# Altium PCB 191228 PCB.PcbDoc (part 2 of 3) (continued)
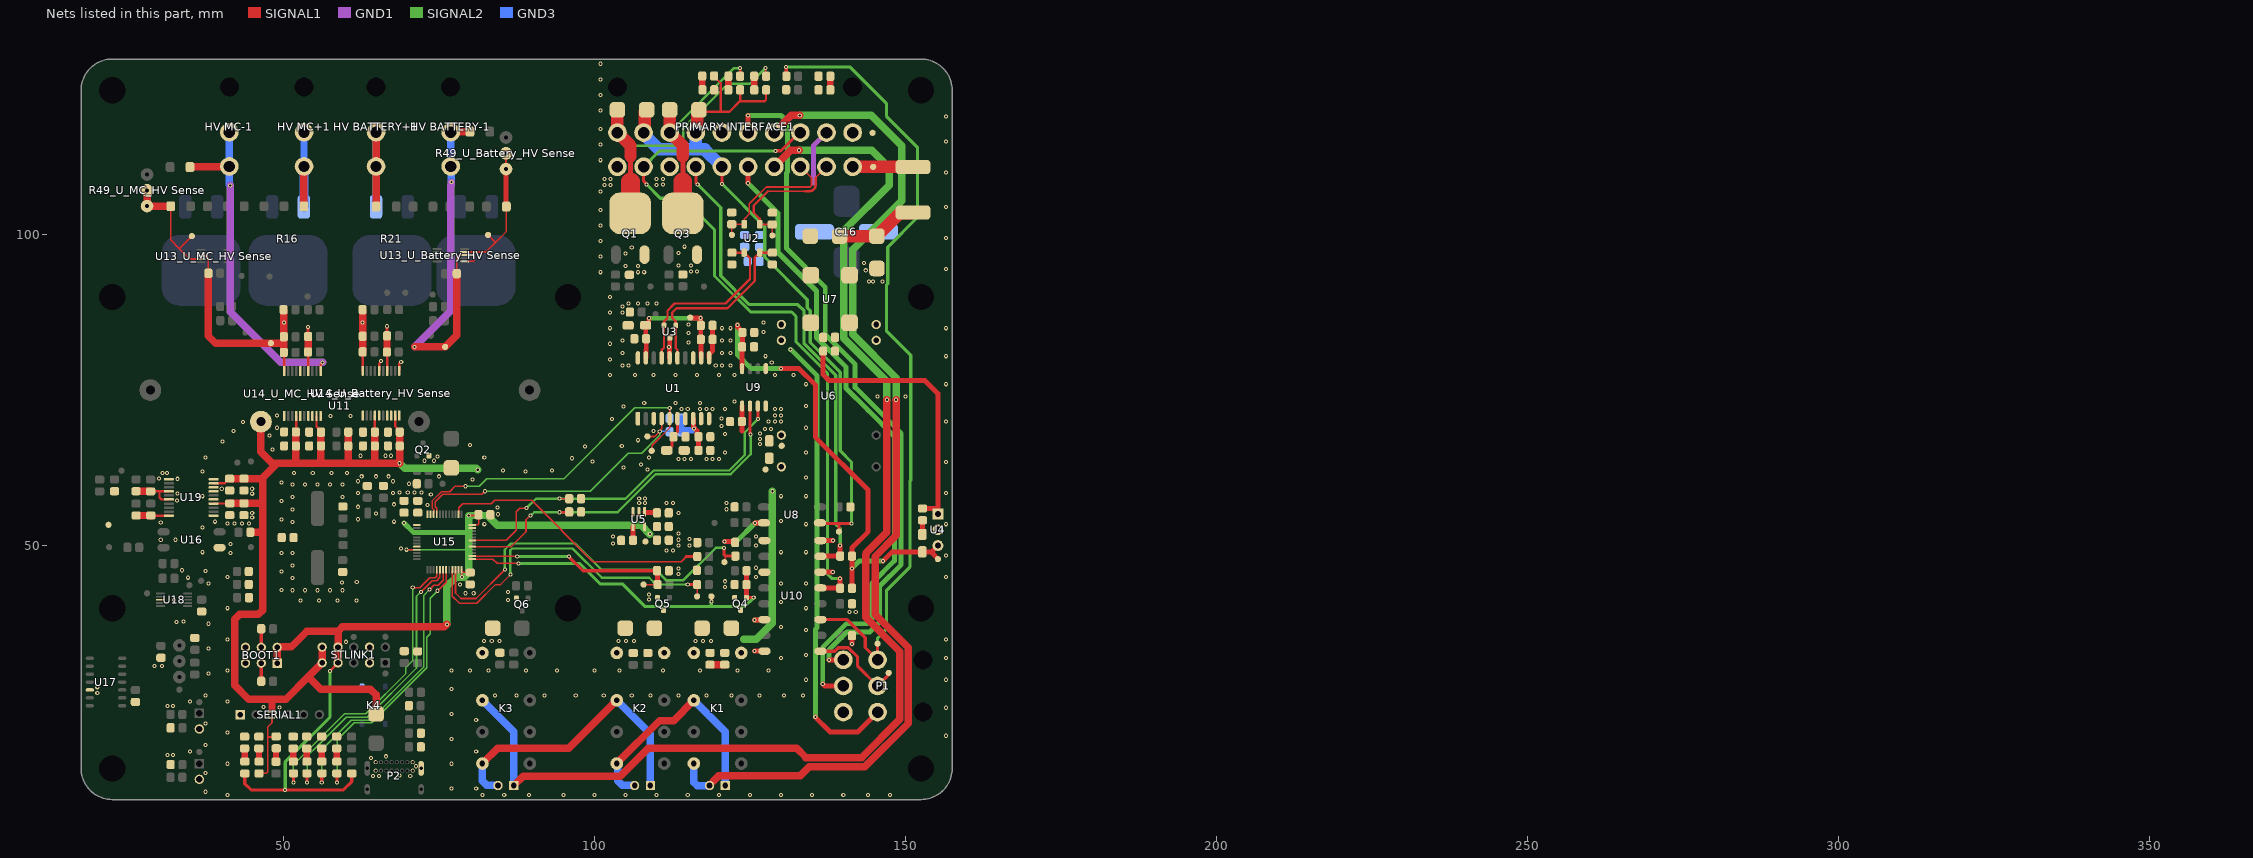
[diagram p4: the nets of this part, all layers, seen from the top]
## Nets (pads, with @x,y where several pads share a name; then routed paths per layer and width w, separated by ;. In a path a pad name is that pad's centre, name@x,y a point inside that pad or via, vN(x,y) a via of type N, cw(c..) or ccw(c..) an arc to the next point about the centre after c; other vN are vias at no path point) (continued)
  SIGNAL1 w0.508: D5.A@43.808,13.45 43.808,11.792 44.8,10.8 v1(50.3,10.8) 59.667,10.8 61,12.133 D20.A@61,13.45 ; v1(57.5,29.9) 57.5,29.915 58.78,31.195 STLINK1.7@58.78,31.21 ; C1.2@111.622,65.353 111.77,65.353 112.458,66.041 112.458,67.289 C2.2@112.722,67.553 112.722,67.692 113.344,68.314 U1.6@113.344,70.475
  SIGNAL1 w1.2: BOOT1.1@48.997,31.17 BOOT1.2@48.997,33.71 49.055,33.767 51.267,33.767 53.8,36.3 58.8,36.3 ; STLINK1.7@58.78,31.21 STLINK1.8@58.78,33.75 58.8,33.77 58.8,36.3 ; v1(76.3,37.4) 75.907,37.007 59.507,37.007 58.8,36.3
  SIGNAL2 w0.254: v1(69.8,49.4) 79.8,49.4
  SIGNAL2 w0.508: v1(50.3,10.8) 50.3,15.3 57.5,22.5 v1(57.5,29.9)
  SIGNAL2 w0.8: v1(69.4,53.7) 70.9,52.2 79.8,52.2
  SIGNAL2 w1.2: v1(76.3,37.4) 76.3,43.497 77.803,45 v1(78.7,45) 79.097,45 79.8,45.703 79.8,49.4 79.8,52.2 v1(79.8,54.9) 82.8,54.9 84.4,53.3 107.5,53.3 v1(108.9,51.9)
3V3_BP: C21.2 U5.4 | length 2.2
  SIGNAL1 w0.8: C21.2@106.15,50.925 106.169,50.944 106.169,53.118 U5.4@106.188,53.137
5V: C15.2 C25.2 C26.2 D3.A R10.2 R24.2 TP5.1 U4.3 U9.8 | length 80.8
  SIGNAL1 w0.8: v1(123,85.5) 123,85.211 123.769,84.442 123.769,82.019 C25.2@123.75,82 123.74,81.99 123.74,78.51 U9.8@123.73,78.5 ; v1(130,78.5) 132.892,78.5 135.5,75.892 135.5,67.5 144,59 144,52.3 141.4,49.7 R24.2@141.4,48.374 v1(141.4,46.4) R10.2@141.4,43.2 ; v1(146.4,47.6) 147.86,49.06 154.2,49.06 ; TP5.1@155.2,47.9 155.2,47.954 154.2,48.954 154.2,49.06 ; U4.3@155.2,50.06 154.2,49.06
  SIGNAL2 w0.8: v1(123,85.5) 123,80.708 125.208,78.5 v1(130,78.5) ; v1(141.4,46.4) 142.6,47.6 v1(146.4,47.6)
"5V (CAN)": C3.2 C4.2 C5.2 C6.2 TP1.1 U1.12 U1.19 | length 23.2
  SIGNAL1 w0.762: U1.19@108.264,80.229 108.29,80.254 108.29,81.401 108.31,81.421 C3.2@108.31,83.314 108.266,83.358 108.266,85.41 C4.2@108.222,85.453 108.422,85.453 108.741,85.772 108.741,86.541 v1(108.8,86.6) ; TP1.1@115.4,86.7 115.443,86.657 v1(117.043,86.657) 117.043,85.508 C5.2@117.096,85.455 C6.2@117.096,83.205 117.129,83.172 117.129,80.254 U1.12@117.154,80.229
  SIGNAL2 w0.762: v1(108.8,86.6) 116.986,86.6 v1(117.043,86.657)
"5V (ISO)": "C32_U_Battery_HV Sense.2" "C32_U_MC_HV Sense.2" "C33_U_Battery_HV Sense.2" "C33_U_MC_HV Sense.2" "C34_U_Battery_HV Sense.2" "C34_U_MC_HV Sense.2" "C35_U_Battery_HV Sense.2" "C35_U_MC_HV Sense.2" "U14_U_Battery_HV Sense.4" "U14_U_Battery_HV Sense.9" "U14_U_MC_HV Sense.4" "U14_U_MC_HV Sense.9" C7.2 C8.2 C19.2 C20.2 C24.2 C53.2 C54.2 C55.2 C56.2 D4.A D9.K D13.K D14.A D16.K D17.A D18.K D19.A D21.K K1.16 K2.16 K3.16 R9.2 R18.2 R23.2 R53.2 R60.2 R61.2 R62.2 R63.2 R66.2 R73.2 SERIAL1.3 STLINK1.9 STLINK1.10 TP7.1 U1.8 U5.1 U5.3 U6.14 U8.4 U9.1 U10.14 U10.16 U11.2 U19.4 U19.9 | length 246.7
  SIGNAL1 w0.254: D4.A@46.101,13.45 47.25,13.45 47.5,13.7 47.5,19.3 ; SERIAL1.3@48.18,22.9 48.18,21.58 47.5,20.9 47.5,19.3 ; R18.2@48.855,19.386 48.768,19.3 47.5,19.3
  SIGNAL1 w0.381: U19.4@38.8,56.825 38.811,56.836 41.383,56.836 C56.2@41.394,56.847 ; U19.9@38.8,60.075 40.586,60.075 41.329,60.819 C54.2@41.369,60.819 ; 52.017,68.327 52.073,68.383 52.073,70.89 52.082,70.9 ; 55.332,70.9 55.332,69.19 56.05,68.473 56.05,68.3 ; 64.713,68.3 64.724,68.311 64.724,70.947 64.733,70.956 ; 67.983,70.956 67.983,69.202 68.713,68.473 68.713,68.3
  SIGNAL1 w0.8: U5.1@108.088,55.499 108.175,55.412 109.963,55.412 C20.2@110.05,55.325 ; U1.8@115.884,70.475 115.929,70.431 v1@115.929,69.071 ; v1@116.05,68.95 116.472,68.528 116.472,67.803 C8.2@116.722,67.553 C7.2@116.722,65.353 ; v1(120.9,50.7) 122.502,50.7 R23.2@122.626,50.576 ; 123.7,68.5 C24.2@123.7,70 123.715,70.015 123.715,72.485 U9.1@123.73,72.5 ; v1(125.7,33.1) 127.323,33.1 U10.16@127.33,33.093 ; v1(125.7,38.1) 127.256,38.1 U10.14@127.33,38.173 ; v1(125.8,53.7) 127.22,53.7 U8.4@127.25,53.73 U8.4@127.32,53.8
  SIGNAL1 w1.2: C54.2@41.369,60.819 41.37,60.82 43.673,60.82 C53.2@43.675,60.822 46.522,60.822 46.7,61 ; C56.2@41.394,56.847 41.396,56.848 43.673,56.848 C55.2@43.675,56.85 46.65,56.85 46.7,56.8 ; R73.2@44.7,52.2 46.6,52.2 46.7,52.1 ; U11.2@46.4,69.975 46.4,65.134 48.617,62.917 46.7,61 ; SERIAL1.3@48.18,22.9 48.18,25.38 48.2,25.4 ; 48.221,63.313 60.438,63.313 ; 52.017,68.327 52.019,68.324 52.019,66.077 52.022,66.075 52.022,63.313 ; 56.05,63.3 56.05,66.075 56.05,68.3 ; STLINK1.10@56.24,33.75 STLINK1.9@56.24,31.21 54.015,28.985 ; R60.2@60.438,68.3 R61.2@60.438,66.075 60.438,63.313 ; 64.713,68.3 64.713,66.075 64.713,63.313 ; D21.K@64.9,23 64.9,26.1 64,27 56,27 54.015,28.985 ; 68.713,68.3 68.713,66.075 68.713,63.313 64.713,63.313 ; 46.7,52.1 46.7,39.703 45.997,39 43,39 42.2,38.2 42.2,27.603 44.403,25.4 48.2,25.4 ; 46.7,52.1 46.7,56.8 ; 46.7,56.8 46.7,61 ; 48.2,25.4 50.43,25.4 54.015,28.985 ; 60.438,63.313 64.713,63.313
  SIGNAL2 w0.8: v1(120.9,50.7) 122.8,50.7 v1(125.8,53.7) 128.6,53.7 ; v1(125.7,38.1) 128.7,38.1
  SIGNAL2 w1.2: v1(68.7,63.3) 69.484,62.516 80.984,62.516 v1(81.25,62.25) ; 124,35 126,35 128.6,37.6 128.6,53.7 v1(128.6,58.8)
  GND3 w1: R62.2@113.988,68.355 R62.2@113.988,68.455 ; R63.2@113.988,70.526 R62.2@113.988,68.455 ; v1(116,68.9) 115.705,68.605 114.138,68.605 R62.2@113.988,68.455
  other v1: 82.25,34.75 83.5,34.75 84.75,34.75 103.843,34.75 105.093,34.75 106.343,34.75 116.228,34.75 117.478,34.75 118.728,34.75
12V/24V: C16.2 D1.K U7.1
"12V/24V (Filtered)": C14.2 C17.2 C18.2 P1.1 U4.1 U6.22 U6.23 U7.2 | length 118.6
  SIGNAL1 w0.8: v1(135.5,22.5) 137.9,20.1 142.3,20.1 P1.1@145.5,23.3 ; C17.2@136.762,81.326 136.762,77.538 137.7,76.6 153.1,76.6 155.2,74.5 155.2,56.038 ; C14.2@152.726,56.038 155.2,56.038 ; U4.1@155.2,55.14 155.2,56.038
  SIGNAL2 w0.8: v1(131.543,81.6) 135.8,77.343 135.8,36.9 135.5,36.6 v1(135.5,22.5)
"AIR Power": "PRIMARY INTERFACE1.12" "PRIMARY INTERFACE1.13" "PRIMARY INTERFACE1.17" D6.A D7.K D11.K R11.2 R25.2 TP11.1 U8.1 | length 119.2
  SIGNAL1 w0.381: D11.K@116.8,120.1 117.1,119.8 120.3,119.8 ; D6.A@119.231,125.531 119.231,125.431 120.3,124.363 120.3,119.8 ; R25.2@123.421,123.302 123.421,121.521 123.4,121.5 ; R11.2@127.585,123.302 127.585,121.723 127.362,121.5 123.4,121.5 ; 120.3,119.8 121.7,119.8 123.4,121.5
  SIGNAL1 w0.508: v1(120.5,108.2) 120.5,110.95 ; U8.1@136.25,53.73 136.351,53.629 139.4,53.629 ; TP11.1@139.3,52.3 139.3,53.529 139.4,53.629 ; v1(141.3,53.6) 141.271,53.629 139.4,53.629
  SIGNAL1 w2: 107.9,116.45 108.091,116.641 108.091,119.791 D7.K@108.4,120.1 ; 116.3,116.45 116.491,116.641 116.491,119.791 D11.K@116.8,120.1
  SIGNAL2 w0.508: v1(120.5,108.2) 127.365,101.335 127.365,96.435 134.2,89.6 134.2,88.306 134.7,87.806 134.7,82.7 139.5,77.9 139.5,65.3 141.3,63.5 v1(141.3,53.6)
  GND3 w2: 107.9,116.45 107.9,116.179 110.35,113.73 116.3,113.73 ; 116.3,116.45 116.3,113.73 ; 120.5,110.95 117.72,113.73 116.3,113.73
AIR+: "PRIMARY INTERFACE1.15" D11.A D12.K Q3.D | length 34.4
  SIGNAL1 w0.381: v1(123.4,126.8) 123.41,126.79 123.41,125.51 D12.K@123.421,125.5
  SIGNAL1 w0.8: 114.2,108.525 114.2,110.08 114.2,111.82 114.2,112.668
  SIGNAL1 w2: D11.A@112.1,120.1 112.1,116.45 114.2,114.35 114.2,112.668
  SIGNAL1 w3: Q3.D@114.2,103.475 114.2,108.525
  SIGNAL2 w0.381: 112.1,116.45 122.45,126.8 v1(123.4,126.8)
"AIR+ (ISO)": R28.2 U9.3 U15.31 | length 61.6
  SIGNAL1 w0.203: U15.31@80.366,50.891 85.791,50.891 87.4,52.5 87.4,55.5 88,56.1 v1(89.1,56.1) ; v1(94.4,57.6) R28.2@95.95,57.6
  SIGNAL1 w0.508: U9.3@126.27,72.5 126.27,70.471 126.3,70.441 v1(126.3,70.4)
  SIGNAL2 w0.381: v1(89.1,56.1) 90.6,57.6 v1(94.4,57.6) 105,57.6 109.537,62.137 121.666,62.137 124.15,64.621 124.15,68.25 v1(126.3,70.4)
"AIR+ Feedback (ISO)": R26.1 TP16.1 U15.22 | length 61.4
  SIGNAL1 w0.254: U15.22@77.666,46.191 77.666,42.441 78.544,41.562 80.962,41.562 v1(85.6,46.2) ; TP16.1@120.9,47.4 121.004,47.504 121.004,48.281 121.098,48.375
  SIGNAL1 w0.508: v1(120.8,49.7) 120.8,48.673 121.098,48.375 R26.1@122.65,48.375
  SIGNAL2 w0.381: v1(85.6,46.2) 85.6,49.402 86.598,50.4 96.9,50.4 101.1,46.2 109.8,46.2 111.489,44.511 114.311,44.511 119.5,49.7 v1(120.8,49.7)
"AIR+ Feedback Out": "PRIMARY INTERFACE1.14" R24.1 U10.7 | length 79.9
  SIGNAL1 w0.508: 116.3,110.95 116.3,108.441 116.6,108.141 v1(116.6,108.1)
  SIGNAL1 w0.8: U10.7@136.33,48.333 136.35,48.354 139.48,48.354 R24.1@139.5,48.374 v1(139.5,50.1)
  SIGNAL2 w0.508: v1(116.6,108.1) 120.3,104.4 120.3,93.406 124.906,88.8 132.7,88.8 133.7,87.8 133.7,82.506 138.789,77.417 138.789,53.511 139.5,52.8 v1(139.5,50.1)
AIR-: "PRIMARY INTERFACE1.19" D7.A D8.K Q1.D | length 49.7
  SIGNAL1 w0.254: v1(127.5,126.8) 127.543,126.757 127.543,125.543 D8.K@127.585,125.5
  SIGNAL1 w0.8: 105.8,108.525 105.8,111.82 105.8,112.668
  SIGNAL1 w2: D7.A@103.7,120.1 103.7,116.45 105.8,114.35 105.8,112.668
  SIGNAL1 w3: Q1.D@105.75,103.475 105.8,103.525 105.8,108.525
  SIGNAL2 w0.381: 103.7,116.45 105.85,114.3 113.2,114.3 114.3,115.4 114.3,117.1 114.41,117.21 114.41,117.233 121.476,124.3 125,124.3 v1(127.5,126.8)
"AIR- (ISO)": R14.2 U9.2 U15.29 | length 61.4
  SIGNAL1 w0.254: U15.29@80.366,49.891 86.591,49.891 89,52.3 89,54.2 v1(89.7,54.9)
  SIGNAL1 w0.381: v1(94.415,55.422) 94.443,55.45 95.922,55.45 R14.2@95.95,55.477
  SIGNAL1 w0.508: U9.2@125,72.5 125,68.041 125.1,67.941 v1(125.1,67.9)
  SIGNAL2 w0.381: v1(89.7,54.9) 89.81,54.9 90.332,55.422 v1(94.415,55.422) 103.722,55.422 109.853,61.553 121.908,61.553 125.1,64.745 v1(125.1,67.9)
"AIR- Feedback (ISO)": R12.1 TP13.1 U15.21 | length 54.3
  SIGNAL1 w0.254: U15.21@77.166,46.191 77.166,41.934 78.3,40.8 81.1,40.8 84.1,43.8 84.9,43.8 v1(86.5,45.4) ; TP13.1@116.5,41.9 R12.1@116.5,43.8
  SIGNAL1 w0.508: v1(115,43.8) R12.1@116.5,43.8
  SIGNAL2 w0.381: v1(86.5,45.4) 86.5,46.994 86.489,47.005 86.489,48.595 86.5,48.606 86.5,49.306 86.794,49.6 96.5,49.6 101.2,44.9 108.8,44.9 109.9,43.8 v1(115,43.8)
"AIR- Feedback Out": "PRIMARY INTERFACE1.5" "PRIMARY INTERFACE1.18" R10.1 U10.5 | length 118.3
  SIGNAL1 w0.508: 107.9,110.95 107.9,108.641 108.4,108.141 v1(108.4,108.1) ; v1(129.1,113.5) 129.129,113.529 129.984,113.529 132.905,116.45 133.1,116.45
  SIGNAL1 w0.8: U10.5@136.33,43.253 136.356,43.227 139.473,43.227 R10.1@139.5,43.2 v1(139.5,44.8)
  SIGNAL2 w0.508: 107.9,110.95 110.45,113.5 v1(129.1,113.5) ; v1(108.4,108.1) 110.6,105.9 114.2,105.9 119.3,100.8 119.3,93.4 125.1,87.6 131.7,87.6 132.4,86.9 132.4,82.8 137.462,77.738 137.462,45.453 138.115,44.8 v1(139.5,44.8)
"AMS OK (ISO)": R39.1 R40.2 TP21.1 U15.26 | length 35.2
  SIGNAL1 w0.254: U15.26@80.366,48.391 80.389,48.368 87.532,48.368 v1(87.6,48.3) ; TP21.1@107.9,43.8 R39.1@110.15,43.8
  SIGNAL1 w0.508: v1(95.9,48.3) 95.9,48.272 98.159,46.013 110.049,46.013 R40.2@110.062,46.026
  SIGNAL1 w0.8: R40.2@110.062,46.026 110.106,45.982 110.106,43.844 R39.1@110.15,43.8
  SIGNAL2 w0.508: v1(87.6,48.3) v1(95.9,48.3)
AMS_OC: D16.A K2.1 Q5.D R38.1
BOOT0: BOOT1.3 R64.1 | length 2.9
  SIGNAL1 w0.508: R64.1@46.452,28.248 46.455,28.251 46.455,31.167 BOOT1.3@46.457,31.17
BOOT1: BOOT1.4 R59.2 | length 3
  SIGNAL1 w0.508: R59.2@46.45,36.689 46.454,36.686 46.454,33.714 BOOT1.4@46.457,33.71
"CAN RX": R62.1 TP31.1 U1.4 U15.45 | length 49.4
  SIGNAL1 w0.203: U15.45@74.666,55.091 74.666,56.077 74.443,56.3 74.443,57.143 75.6,58.3 81.9,58.3 v1(82.4,58.8) ; v1(110.5,68.4) 110.5,68.524 110.802,68.826 110.802,70.473 U1.4@110.804,70.475
  SIGNAL1 w0.254: TP31.1@108.5,67.6 109.7,67.6 v1(110.5,68.4)
  SIGNAL2 w0.203: v1(82.4,58.8) 99.3,58.8 105.4,64.9 107.6,64.9 110.465,67.765 110.465,68.365 v1(110.5,68.4)
  GND3 w0.203: v1(110.5,68.4) 112.043,68.4 R62.1@112.088,68.355
"CAN RX INDC": "CAN RX INDC2.A" U15.19 | length 44.6
  SIGNAL1 w0.203: v1(74.8,42.8) 76.166,44.166 U15.19@76.166,46.191
  SIGNAL1 w0.508: 58.609,13.45 58.632,13.427 58.632,12.023 v1(58.655,12)
  SIGNAL2 w0.203: v1@58.647,12 58.647,18.847 61.377,21.577 64.187,21.577 73.032,30.421 73.032,35.332 73.605,35.905 73.605,41.621 74.784,42.8 v1(74.8,42.8)
"CAN TX": R63.1 TP32.1 U1.5 U15.46 | length 56.4
  SIGNAL1 w0.254: U15.46@74.166,55.091 74.166,55.834 73.911,56.089 73.911,56.795 73.905,56.8 73.905,57.216 75.421,58.732 76.732,58.732 77.6,59.6 v1(79.3,59.6) ; TP32.1@109.2,65.3 109.287,65.387 109.287,66.181 112.074,68.968 U1.5@112.074,70.475 112.087,70.488 112.087,72.187 v1(112.1,72.2)
  SIGNAL2 w0.254: v1(79.3,59.6) 81.5,59.6 82.7,60.8 95.1,60.8 106.5,72.2 v1(112.1,72.2)
  GND3 w0.254: R63.1@112.088,70.526 112.094,70.532 112.094,72.194 v1(112.1,72.2)
"CAN TX INDC": "CAN TX INDC2.A" U15.18 | length 45.9
  SIGNAL1 w0.203: v1(73.5,43) 74.198,43.698 74.89,43.698 75.666,44.474 U15.18@75.666,46.191
  SIGNAL1 w0.508: v1(56.177,12.012) 56.188,12.023 56.188,13.451 56.2,13.462
  SIGNAL2 w0.254: v1@56.169,12.012 56.169,17.269 60.909,22.009 64.009,22.009 72.6,30.6 72.6,42.094 73.5,42.994 v1(73.5,43)
CAN_CMF_N: C12.2 U1.15 U2.4 U3.1 | length 29.9
  SIGNAL1 w0.381: U1.15@113.344,80.229 113.344,81.499 113.072,81.771 U3.1@113.072,85.453 113.072,86.094 112.503,86.663 112.503,87.5 113.203,88.2 121.378,88.2 125.762,92.584 125.762,96.345 U2.4@126.576,97.159 126.582,97.153 128.596,97.153 C12.2@128.602,97.147
CAN_CMF_P: C13.2 U1.17 U2.3 U3.2 | length 30
  SIGNAL1 w0.381: U1.17@110.804,80.229 110.804,81.499 111.172,81.867 U3.2@111.172,85.453 111.172,86.094 111.741,86.663 111.741,87.816 112.888,88.962 121.062,88.962 125,92.9 125,96.235 U2.3@124.076,97.159 123.626,97.159 123.614,97.147 C13.2@122.102,97.147
CAN_N: "CAN TERM R2.1" "PRIMARY INTERFACE1.4" C10.2 TP2.1 U2.1 | length 22.4
  SIGNAL1 w0.25: U2.1@126.576,101.709 126.614,101.671 C10.2@128.571,101.671 128.6,101.642 TP2.1@128.6,99.9
  SIGNAL1 w0.254: 127.902,107.002 133.9,107.002 ; 135.518,107.837 135.581,107.9 ; 135.581,109.231 137.3,110.95
  SIGNAL1 w0.381: U2.1@126.576,101.709 126.576,102.575 125.6,103.55 125.6,104.7 127.902,107.002 ; 133.9,107.002 134.683,107.002 134.746,107.065 134.946,107.065 135.518,107.637 135.518,107.837 ; 135.581,107.9 135.581,109.231
CAN_P: "CAN TERM R1.2" "PRIMARY INTERFACE1.6" C11.2 TP3.1 U2.2 | length 22.3
  SIGNAL1 w0.25: TP3.1@122.1,100 122.1,101.68 C11.2@122.071,101.709 U2.2@124.076,101.709
  SIGNAL1 w0.254: U2.2@124.076,101.709 124.076,102.511 124.902,103.337 124.902,104.989 127.612,107.7 134.683,107.7 134.883,107.9 134.883,109.168 133.1,110.95
CANS: "PRIMARY INTERFACE1.3" C3.1 C4.1 C5.1 C6.1 C9.1 C10.1 C11.1 C12.1 C13.1 R1.1 U1.11 U1.13 U1.16 U1.20 U3.3 | length 17.8
  SIGNAL1 w0.762: U1.16@112.074,80.229 112.049,80.254 112.049,81.951 v1(112,82) 112.122,82.122 U3.3@112.122,83.453 ; U1.11@118.424,80.23 118.424,80.903 118.45,80.928 118.55,80.928 118.996,81.374 C6.1@118.996,83.205 C5.1@118.996,85.455
  GND1 w0.762: 135.2,108.3 135.2,114.35 137.3,116.45
  other v1: 104.5,79 105.5,79 119.5,79 120.5,79 104.5,81 120.5,81 115.1,82.7 104.5,83 120.5,83 115.1,84.2 120.5,85 115.1,85.6 104.5,87.5 104.5,88.5 105.5,89 107,89 108.5,89 110,89
"CHASSIS REF": "PRIMARY INTERFACE1.9" P1.6 | length 113.3
  SIGNAL1 w0.8: 124.7,116.45 v1(124.7,119.2) ; v1(137.7,31.7) P1.6@140,31.7
  SIGNAL2 w0.8: 124.7,116.45 124.7,116.8 ; v1(124.7,119.2) 130,119.2 130.9,118.3 130.9,117.42 131,117.32 131,110.08 130.9,109.98 130.9,97.8 137.1,91.6 137.1,84 141.9,79.2 141.9,75.5 149.3,68.1 149.3,47 145.8,43.5 145.8,37.7 144.3,36.2 140.596,36.2 137.7,33.304 v1(137.7,31.7)
GLV+: "PRIMARY INTERFACE1.2" F1.1 TP6.1 | length 9.7
  SIGNAL1 w2: 141.5,110.95 141.525,110.925 TP6.1@144.8,110.925 151.175,110.925 F1.1@151.2,110.9
GLV-: "PRIMARY INTERFACE1.1" "PRIMARY INTERFACE1.11" "PRIMARY INTERFACE1.16" "PRIMARY INTERFACE1.20" C16.1 D2.A Q1.S Q3.S R7.2 R8.2 R15.1 R29.1 TP9.1 U7.4
  other v1: 82,10 85.5,10 89.5,10 95,10 100,10 105,10 110,10 115,10 120,10 125,10 130,10 135,10 140,10 144,10 147.5,10 81,11 81,17 156.5,19.5 81,22 156.5,24 84,26 87.5,26 92,26 97,26 101.5,26 106,26 109,26 113.5,26 118,26 122,26 126.5,26 130.5,26 133.5,26 134,28.5 156.5,28.5 156.5,32 134,32.5 156.5,35 134,36.5 134,40 134,44 156.5,45 156.5,48.5 134,49 134,53.5 156.5,53.5 134,58 156.5,58.5 134,61 156.5,63.5 134,65 134,69 156.5,70 134,72.5 145.5,74 150,74 134,76 156.5,76 102.5,77.5 106.5,77.5 109.5,77.5 113,77.5 116.5,77.5 120,77.5 122.5,77.5 129,77.5 132,77.5 121.9,79 128.5,79.5 102.5,80 127.5,80.5 156.5,80.5 121.9,81 102.5,82.5 121.9,83 102.5,85 121.9,85 156.5,85 102.5,87.5 102.5,90 144.129,92.5 144.8,92.5 146.3,92.5 101,94 107,94 108,94 115.5,94.1 116.5,94.1 143.607,94.307 156.5,94.5 105,95 107,95 113.5,95.1 115.5,95.1 143.3,95.5 101,96.5 105,97 113.5,97.1 106,98 114.5,98.1 101,99 156.5,99.5 101,101.5 101,104 156.5,104.5 101,107 101.6,108 102.6,108 110,108 111,108.079 101.6,109 102.6,109 110,109 111,109 156.5,110 101,112 101,114.5 156.5,115 101,117 156.5,119 101,120 101,122.5 101,125 101,127.5
"GLV- REF": "PRIMARY INTERFACE1.10" P1.4 | length 103
  SIGNAL1 w0.8: v1(124.7,108.3) 124.7,110.95 ; v1(136.7,27.8) 137,27.5 P1.4@140,27.5
  SIGNAL2 w0.8: v1(124.7,108.3) 129.5,103.5 129.5,97.181 135.7,90.981 135.7,83.5 140.4,78.8 140.4,75.4 144,71.8 148.2,67.6 148.2,47.6 144.6,44 144.6,38.3 143.8,37.5 140.478,37.5 136.697,33.719 136.697,27.803 v1(136.7,27.8)
GNDISO: "PDOC Sensor 1.1" "PDOC Sensor 2.1" C45.1 C46.1 C47.1 C48.2 C49.1 C50.1 C51.1 C52.2 C57.1 R78.1 R83.1 TP40.1 U17.12 U18.3 U19.11 U19.14 U19.16 U19.20 | length 13.2
  SIGNAL1 w0.254: U18.3@30.209,41.373 U18.3@30.232,41.35
  SIGNAL1 w0.381: C52.2@28.669,58.776 30.134,58.775 ; C50.1@28.716,54.884 31.59,54.884 U19.20@31.6,54.875 ; U19.16@31.6,57.475 30.425,57.475 30.1,57.8 30.1,58.741 30.134,58.775 ; U19.14@31.6,58.775 30.134,58.775
  SIGNAL1 w1.2: C46.1@26.2,24.912 C46.1@26.226,24.938 ; C49.1@26.335,54.9 C50.1@28.7,54.9 C50.1@28.716,54.884 ; C51.1@26.335,58.8 26.347,58.788 28.656,58.788 C52.2@28.669,58.776
  other v1: 37.5,10.5 37.5,13.5 31.4,16.4 32.3,16.4 35,17 37.5,18 37.5,21.5 31.4,24.3 32.3,24.3 35,25 37.5,26 20.1,26.4 20.1,27.3 38,29.5 29.3,30.7 30.5,30.7 38,33.5 38,37.5 32.8,37.8 33.952,37.865 32.4,41.3 38,44 34.7,44.9 37.5,46 33.7,46.1 30.3,51 32.7,51 30.3,53.8 32.911,57.278 33.013,58.431 33,60.8 30.027,60.872 30.6,61.7 31.3,61.7
"Green In": "IMD Bypass1.2" "PRIMARY INTERFACE1.7" K1.9 | length 168.2
  SIGNAL1 w1.2: 118.5,11.5 118.5,11.581 119.406,12.487 119.406,12.497 119.959,13.05 133.05,13.05 134.5,14.5 143.437,14.5 150.475,21.538 150.475,33.623 145.1,38.998 145.1,48.3 148.5,51.7 v1(148.5,73.5) ; 128.9,116.45 131.65,119.2 v1(133,119.2)
  SIGNAL2 w1.2: v1(133,119.2) 144.5,119.2 149.4,114.3 149.4,105.5 141.503,97.603 141.503,83.997 148.5,77 v1(148.5,73.5)
  GND3 w1.2: K1.9@115.98,15.036 115.98,12.02 116.5,11.5 118.5,11.5
"Green Out": "PDOC Bypass1.1" "PRIMARY INTERFACE1.8" K3.13 | length 202.5
  SIGNAL1 w1.2: 87.04,11.5 88.54,13 104.127,13 108.627,17.5 132.5,17.5 134,16 142.953,16 149.072,22.119 149.072,33.042 143.6,38.513 143.6,48.6 143.697,48.697 143.697,48.881 147,52.184 v1(147,73.5) ; 128.9,110.95 131.55,113.6 v1(132.9,113.6)
  SIGNAL2 w1.2: v1(132.9,113.6) 144.6,113.6 147.4,110.8 147.4,108 140.1,100.7 140.1,83.4 147,76.5 v1(147,73.5)
  GND3 w1.2: K3.13@82.002,25.196 87.04,20.158 87.04,11.5
"HV Battery+": "HV BATTERY+1.1" "HV BATTERY+1.2" "R43_U_Battery_HV Sense.2" R21.1 | length 24
  SIGNAL1 w1.2: 64.907,116.5 64.907,111 64.93,110.977 64.93,104.573 64.953,104.55
  GND3 w1.2: R21.1@64.9,104.5 64.903,104.503 64.903,110.997 64.907,111 64.907,116.5
"HV Battery-": "C27_U_Battery_HV Sense.2" "C28_U_Battery_HV Sense.1" "C29_U_Battery_HV Sense.1" "C30_U_Battery_HV Sense.1" "C31_U_Battery_HV Sense.2" "HV BATTERY-1.1" "HV BATTERY-1.2" "R50_U_Battery_HV Sense.1" "R52_U_Battery_HV Sense.1" "TP27_U_Battery_HV Sense.1" "U13_U_Battery_HV Sense.1" "U13_U_Battery_HV Sense.3" "U14_U_Battery_HV Sense.11" "U14_U_Battery_HV Sense.14" "U14_U_Battery_HV Sense.16" "U14_U_Battery_HV Sense.20" | length 84.9
  SIGNAL1 w0.254: 77.878,93.774 77.878,96.378 78.227,96.727 79.115,96.727 79.138,96.75 80.55,96.75 80.7,96.6 80.7,95.9 80.55,95.75 79.138,95.75
  SIGNAL1 w0.381: 62.751,81.192 62.751,78.789 62.783,78.756 62.783,78.156 ; 65.383,78.156 65.393,78.166 65.393,79.293 65.7,79.6 v1(65.7,79.7) ; 66.663,81.183 66.674,81.172 66.674,78.166 66.683,78.156 ; 68.633,78.156 68.643,78.166 68.643,79.267
  SIGNAL1 w0.508: 66.675,83.77 66.678,83.773 66.678,85.31 v1(66.681,85.313)
  SIGNAL1 w1.2: 62.738,87.974 62.744,87.967 ; 62.744,87.567 v1(62.744,85.9) 62.744,83.724 62.751,83.718 62.751,81.192 ; 66.663,81.183 66.663,83.758 66.675,83.77 ; v1(71.101,82) 76,82 77.878,83.878 77.878,93.774 ; 76.957,116.55 79.95,116.55 80,116.6
  GND1 w1.2: v1(71.101,82) 76.907,87.806 76.907,107.907 77,108 v1(77,108.5)
  GND3 w1.2: 76.907,116.5 76.907,111 77,110.907 v1(77,108.5)
  other v1: 68.945,79.595
"HV MC+": "HV MC+1.1" "HV MC+1.2" "R43_U_MC_HV Sense.2" R16.2 | length 18.4
  SIGNAL1 w1.2: 53.3,104.6 53.312,104.612 53.312,110.988 53.324,111
  GND3 w1.2: 53.324,111 53.324,116.5
  GND3 w1.5: R16.2@53.3,104.5 53.312,104.512 53.312,110.988 53.324,111
"HV MC-": "C27_U_MC_HV Sense.2" "C28_U_MC_HV Sense.1" "C29_U_MC_HV Sense.1" "C30_U_MC_HV Sense.1" "C31_U_MC_HV Sense.2" "HV MC-1.1" "HV MC-1.2" "R50_U_MC_HV Sense.1" "R52_U_MC_HV Sense.1" "TP27_U_MC_HV Sense.1" "U13_U_MC_HV Sense.3" "U14_U_MC_HV Sense.11" "U14_U_MC_HV Sense.14" "U14_U_MC_HV Sense.16" "U14_U_MC_HV Sense.20" | length 98.7
  SIGNAL1 w0.254: 36.738,96.6 37.7,96.6 37.953,96.347 37.953,93.826
  SIGNAL1 w0.381: 50.08,81.101 50.123,81.058 50.123,78.109 50.132,78.1 ; 53.962,81.173 54.023,81.112 54.023,78.109 54.032,78.1 ; 55.982,78.1 55.992,78.109 55.992,79.116 56.3,79.424 v1(56.3,79.5)
  SIGNAL1 w0.508: 53.986,83.668 53.988,83.669 53.988,85.214 v1(53.99,85.216)
  SIGNAL1 w1.2: 35,110.9 35.05,110.95 41.274,110.95 41.324,111 ; 37.953,93.826 37.953,83.747 39.1,82.6 49.843,82.6 50.08,82.364 ; 50.038,87.974 50.088,87.924 50.088,85.912 v1(50.1,85.9) 50.1,83.647 50.08,83.627 50.08,82.364 ; 50.08,81.101 50.08,82.364 ; 53.962,81.173 53.974,81.186 53.974,83.655 53.986,83.668
  GND1 w1.2: v1(41.472,107.943) 41.472,87.628 49.6,79.5 v1(56.3,79.5)
  GND3 w1.2: 41.324,116.5 41.324,111 41.324,108.091 v1(41.472,107.943)
"IMD Data": D15.A P1.5 TP20.1 U10.3 | length 132.8
  SIGNAL1 w0.508: v1(130.8,127) 130.825,126.975 130.825,125.525 D15.A@130.85,125.5 ; U10.3@136.33,38.173 140.611,38.173 143.526,35.259 143.526,33.674 P1.5@145.5,31.7 TP20.1@145.5,34.3
  SIGNAL2 w0.508: v1(130.8,127) 141.049,127 146.916,121.133 146.916,119.084 151.9,114.1 151.9,102.8 147.138,98.038 147.138,92.153 146.916,91.931 146.916,84.584 150.838,80.662 150.838,60.543 150.7,60.405 150.7,46.6 146.916,42.816 146.916,36.616 145.5,35.2 P1.5@145.5,31.7
"IMD Data (ISO)": R34.1 U15.38 | length 44.3
  SIGNAL1 w0.203: U15.38@78.166,55.091 78.166,56.166 78.8,56.8 83.411,56.8 83.979,57.368 89.9,57.368 99.768,47.5 113.941,47.5 114.738,48.296
  SIGNAL1 w0.508: 114.738,48.296 R34.1@116.525,48.296
"IMD OK": P1.3 TP19.1 U10.1 | length 15.7
  SIGNAL1 w0.508: U10.1@136.33,33.093 138.63,33.093 139.191,33.654 140.809,33.654 142.3,32.163 142.3,30.7 P1.3@145.5,27.5 147.206,29.206 147.206,29.506 TP19.1@147.3,29.6
"IMD OK (ISO)": Q4.G R31.1 R33.2 TP18.1 U15.25 | length 56.1
  SIGNAL1 w0.203: U15.25@80.366,47.891 83.675,47.891 84.366,47.2 v1(87.8,47.2)
  SIGNAL1 w0.508: v1(118.8,41.1) TP18.1@118.8,41.9 ; Q4.G@124.45,41.7 v1(125.6,41.7)
  SIGNAL1 w0.8: Q4.G@124.45,41.7 124.45,43.788 R33.2@124.438,43.8 124.45,43.812 124.45,46.014 R31.1@124.462,46.026
  SIGNAL2 w0.508: v1(87.8,47.2) 97.6,47.2 100.9,43.9 104.5,43.9 108.1,40.3 118.7,40.3 ; v1(118.8,41.1) 118.771,41.071 118.771,40.371 118.7,40.3 ; v1(125.6,41.7) 124.2,40.3 118.7,40.3
IMD_OC: D13.A K1.1 Q4.D R30.1
LED2: "CAN TX INDC1.A" U15.16 | length 48.4
  SIGNAL1 w0.203: v1(70.8,43.3) 71.9,43.3 73.5,44.9 74.4,44.9 74.666,45.166 U15.16@74.666,46.191
  SIGNAL1 w0.508: v1(51.609,12) 51.616,12.007 51.616,13.442 51.624,13.45
  SIGNAL2 w0.254: v1@51.62,12 51.62,14.82 59.85,23.05 63.25,23.05 69.7,29.5 69.7,30.484 70.8,31.584 v1(70.8,43.3)
LED3: "CAN RX INDC1.A" U15.17 | length 46.9
  SIGNAL1 w0.203: v1(72.1,42.6) 73.9,44.4 74.622,44.4 75.166,44.944 U15.17@75.166,46.191
  SIGNAL1 w0.508: 53.793,13.45 53.801,13.442 53.801,12.008 v1(53.809,12)
  SIGNAL2 w0.254: v1@53.82,12 53.82,16.167 55.711,18.058 60.119,22.466 63.492,22.466 71.4,30.374 71.4,41.9 v1(72.1,42.6)
"Measure_U_Battery_HV Sense": "R46_U_Battery_HV Sense.1" "R49_U_Battery_HV Sense.2" "R49_U_Battery_HV Sense.3" "TP24_U_Battery_HV Sense.1" "U13_U_Battery_HV Sense.4" | length 22.4
  SIGNAL1 w0.254: 79.138,97.25 82.55,97.25 84.201,98.901 ; 82.9,100 83.999,98.901 84.201,98.901 ; 85.788,113.11 85.788,110.57 85.82,110.538 ; 85.82,104.583 85.853,104.55 85.853,100.553 84.201,98.901
  SIGNAL1 w0.8: 85.82,104.583 85.82,110.538
"Measure_U_MC_HV Sense": "R46_U_MC_HV Sense.1" "R49_U_MC_HV Sense.2" "R49_U_MC_HV Sense.3" "TP24_U_MC_HV Sense.1" "U13_U_MC_HV Sense.4" | length 20.7
  SIGNAL1 w0.305: 31.9,104.6 31.9,99.2 33.3,97.8 ; 35.3,99.8 33.3,97.8 ; 36.738,96.1 35,96.1 33.3,97.8
  SIGNAL1 w1.2: 28.1,107.16 28.1,104.62 28.11,104.61 31.89,104.61 31.9,104.6
"NetAMS Bypass1_1": "AMS Bypass1.1" "PDOC Bypass1.2" K2.13 K3.9 | length 47.3
  SIGNAL1 w1.2: K3.9@82.002,15.036 84.466,17.5 95.898,17.5 K2.13@103.595,25.196
  GND3 w1.2: K3.9@82.002,15.036 82.002,12.253 82.705,11.55 84.45,11.55 84.5,11.5 ; K2.13@103.595,25.196 109,19.791 109,11.5
"NetAMS Bypass1_2": "AMS Bypass1.2" "IMD Bypass1.1" K1.13 K2.9 | length 38.3
  SIGNAL1 w1.2: K2.9@103.595,15.036 103.595,15.064 110.462,21.932 112.716,21.932 K1.13@115.98,25.196
  GND3 w1.2: K2.9@103.595,15.036 103.74,14.891 103.74,12.26 104.001,11.999 104.443,11.557 106.403,11.557 106.46,11.5 ; K1.13@115.98,25.196 121.04,20.136 121.04,11.5
NetC9_2: "CAN TERM R1.1" "CAN TERM R2.2" C9.2
"NetCAN RX INDC1_K": "CAN RX INDC1.K" R56.2 | length 2.1
  SIGNAL1 w1: R56.2@53.761,17.462 53.777,17.446 53.777,15.366 53.793,15.35
"NetCAN RX INDC2_K": "CAN RX INDC2.K" R58.2 | length 2.1
  SIGNAL1 w1: R58.2@58.577,17.462 58.593,17.446 58.593,15.366 58.609,15.35
"NetCAN TX INDC1_K": "CAN TX INDC1.K" R55.2 | length 2.1
  SIGNAL1 w1: R55.2@51.592,17.462 51.608,17.446 51.608,15.366 51.624,15.35
"NetCAN TX INDC2_K": "CAN TX INDC2.K" R57.2 | length 2.1
  SIGNAL1 w1: R57.2@56.168,17.474 56.184,17.458 56.184,15.378 56.2,15.362
NetD1_A: D1.A D2.K F1.2 | length 13.4
  SIGNAL1 w2: D1.A@139.4,99.8 D2.K@145.4,99.8 149.05,103.45 151.05,103.45 F1.2@151.2,103.6
NetD3_K: D3.K R2.2 | length 2.2
  SIGNAL1 w1: R2.2@137.915,123.302 D3.K@137.915,125.5
NetD4_K: D4.K R3.2 | length 2.1
  SIGNAL1 w1: R3.2@46.07,17.462 46.086,17.446 46.086,15.366 D4.K@46.101,15.35
NetD5_K: D5.K R4.2 | length 2.1
  SIGNAL1 w1: R4.2@43.776,17.462 43.792,17.446 43.792,15.366 D5.K@43.808,15.35
NetD6_K: D6.K R8.1 | length 2.2
  SIGNAL1 w1: D6.K@117.331,125.531 117.344,125.519 117.344,123.315 R8.1@117.356,123.302
NetD8_A: D8.A R11.1 | length 2.2
  SIGNAL1 w1: R11.1@125.685,123.302 D8.A@125.685,125.5
NetD10_A: D10.A R18.1 | length 2.2
  SIGNAL1 w1: D10.A@48.823,15.326 48.839,15.341 48.839,17.471 R18.1@48.855,17.486
NetD12_A: D12.A R25.1 | length 2.2
  SIGNAL1 w1: R25.1@121.521,123.302 D12.A@121.521,125.5
NetD14_K: D14.K R30.2 | length 2.4
  SIGNAL1 w1.2: D14.K@118.588,30.924 R30.2@120.948,30.924